# Altium PCB 2012_BALISE_CARTE_PRINCIPALE.PCBDOC
Units mil, origin at the board's own origin, x right, y up, seen from the top; angles counter-clockwise.
Board outline 2992 x 2992 mil, 4 copper layers (1-TOP, 2-GND, 3-SIGNAL, 4-BOT); 161 components, 105 nets, 464 pads, 166 vias.
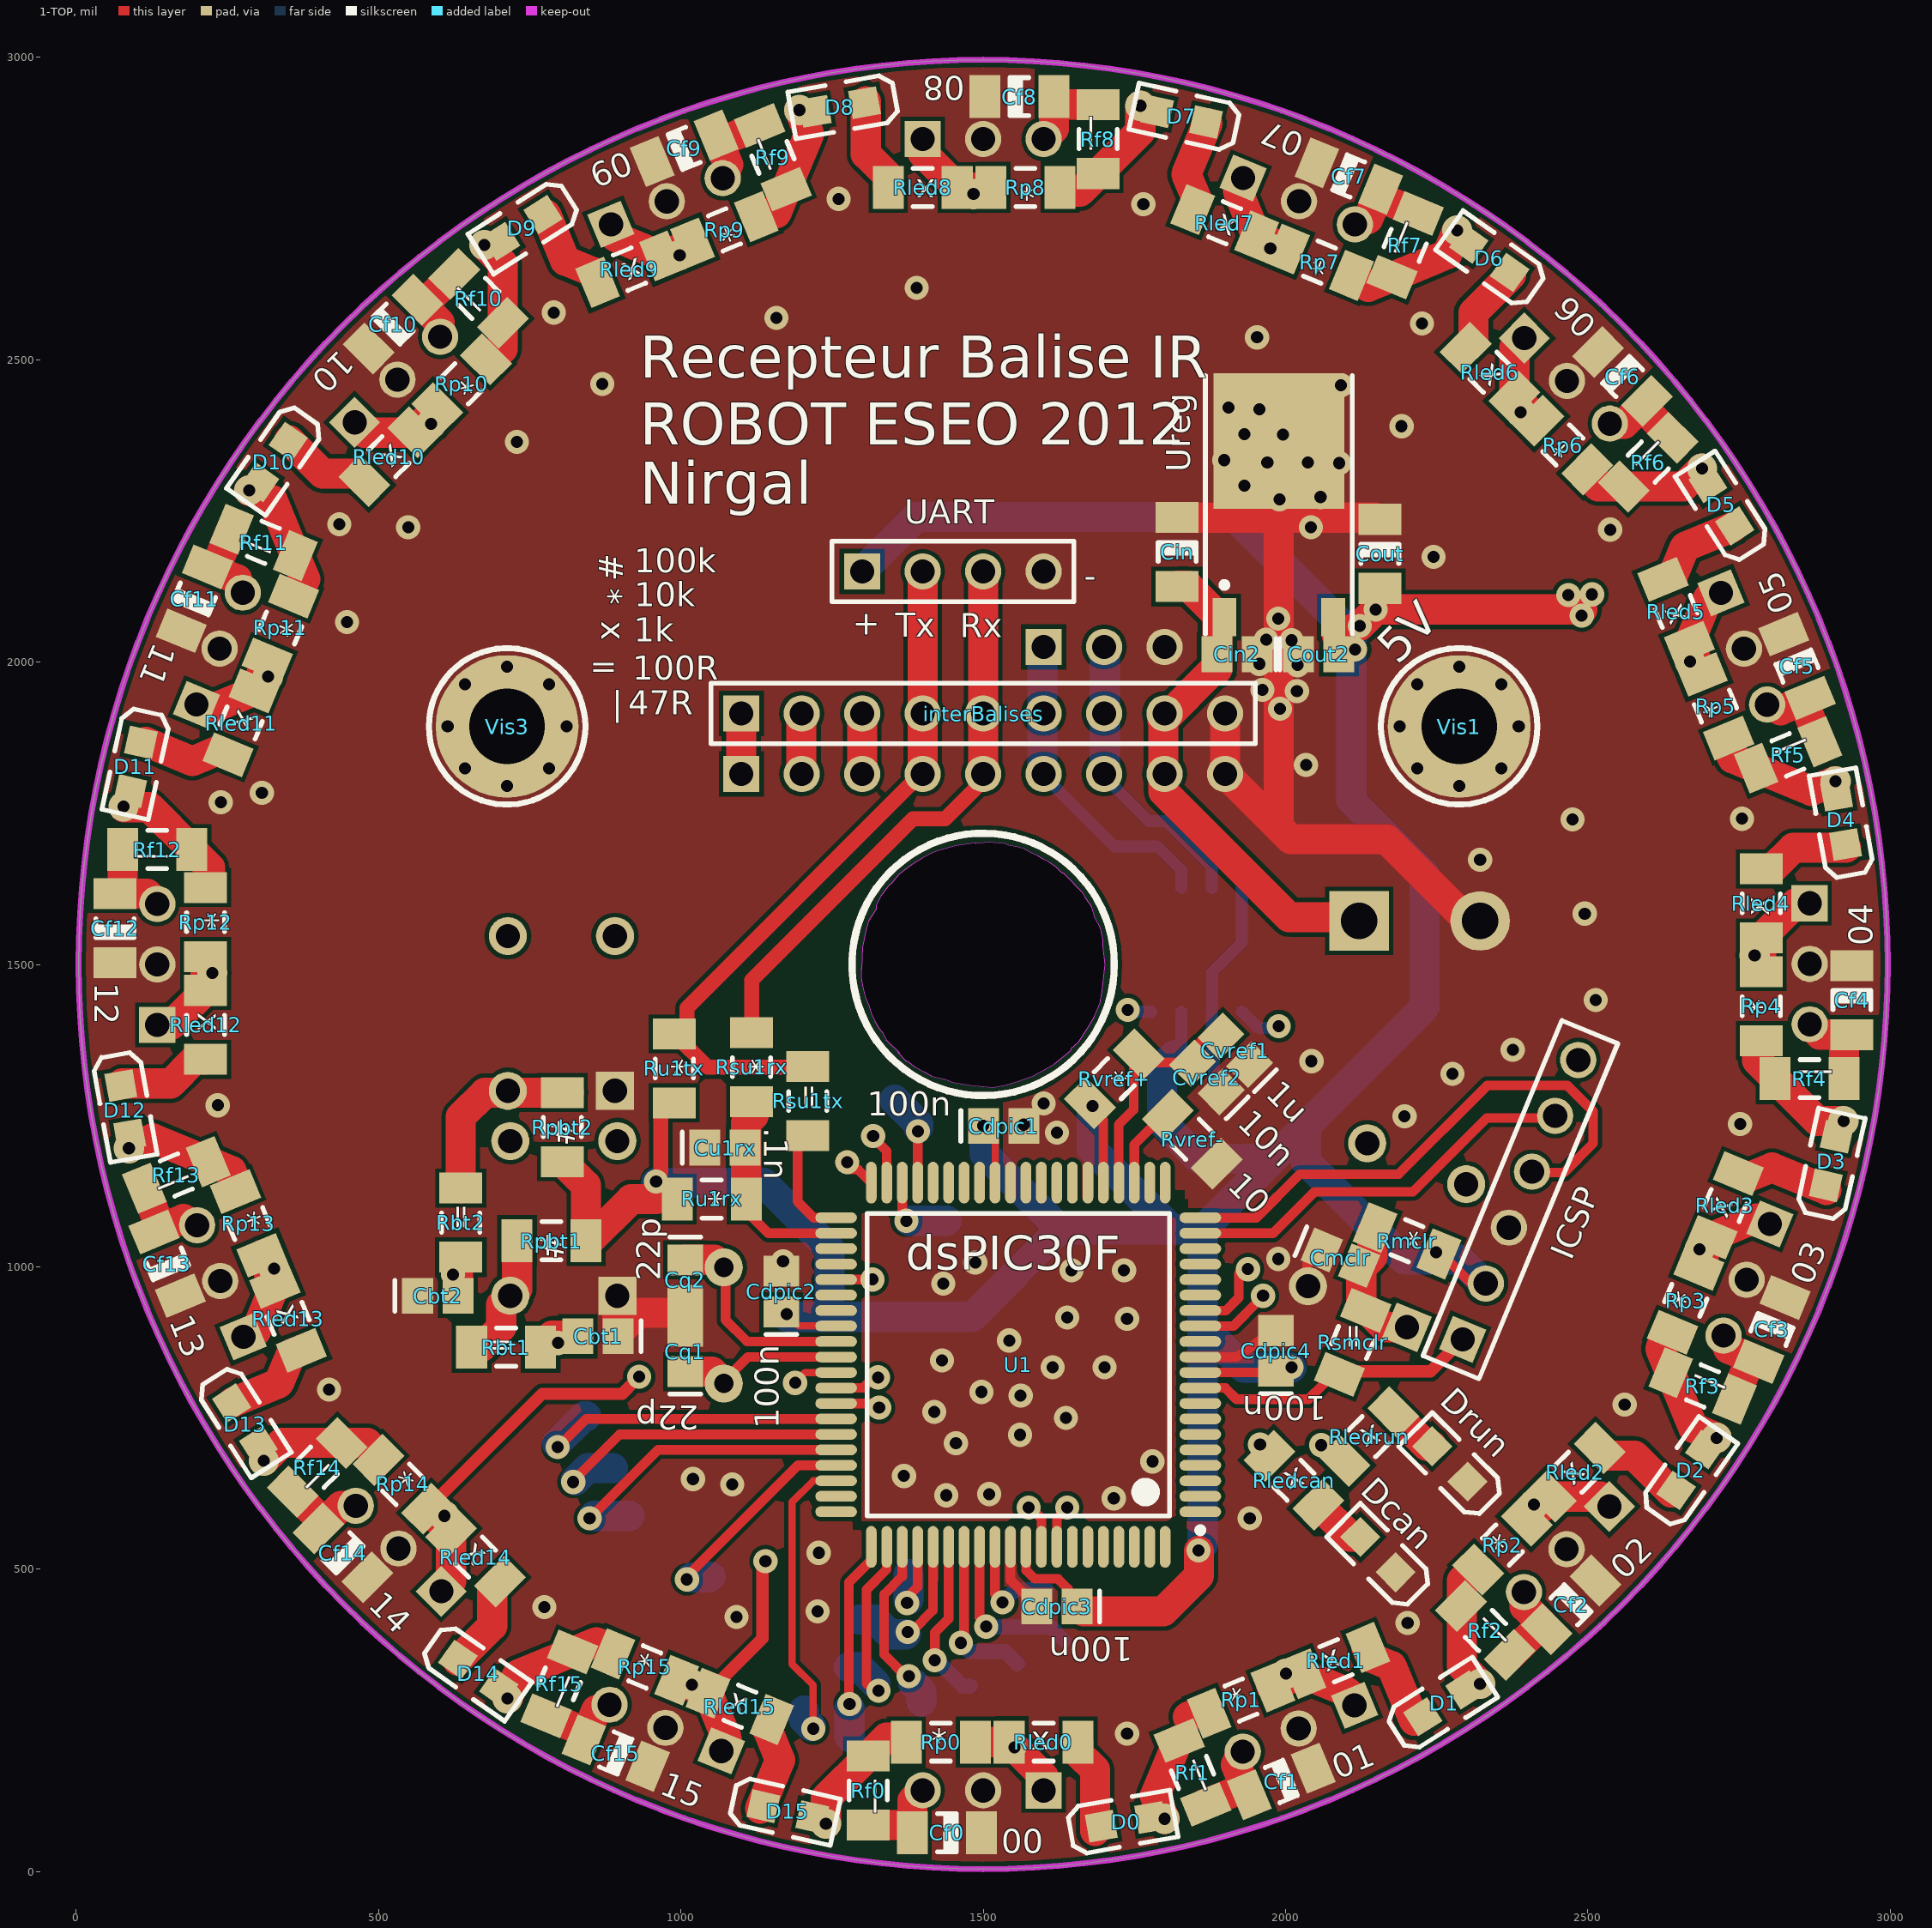
[diagram p0: 1-TOP view]
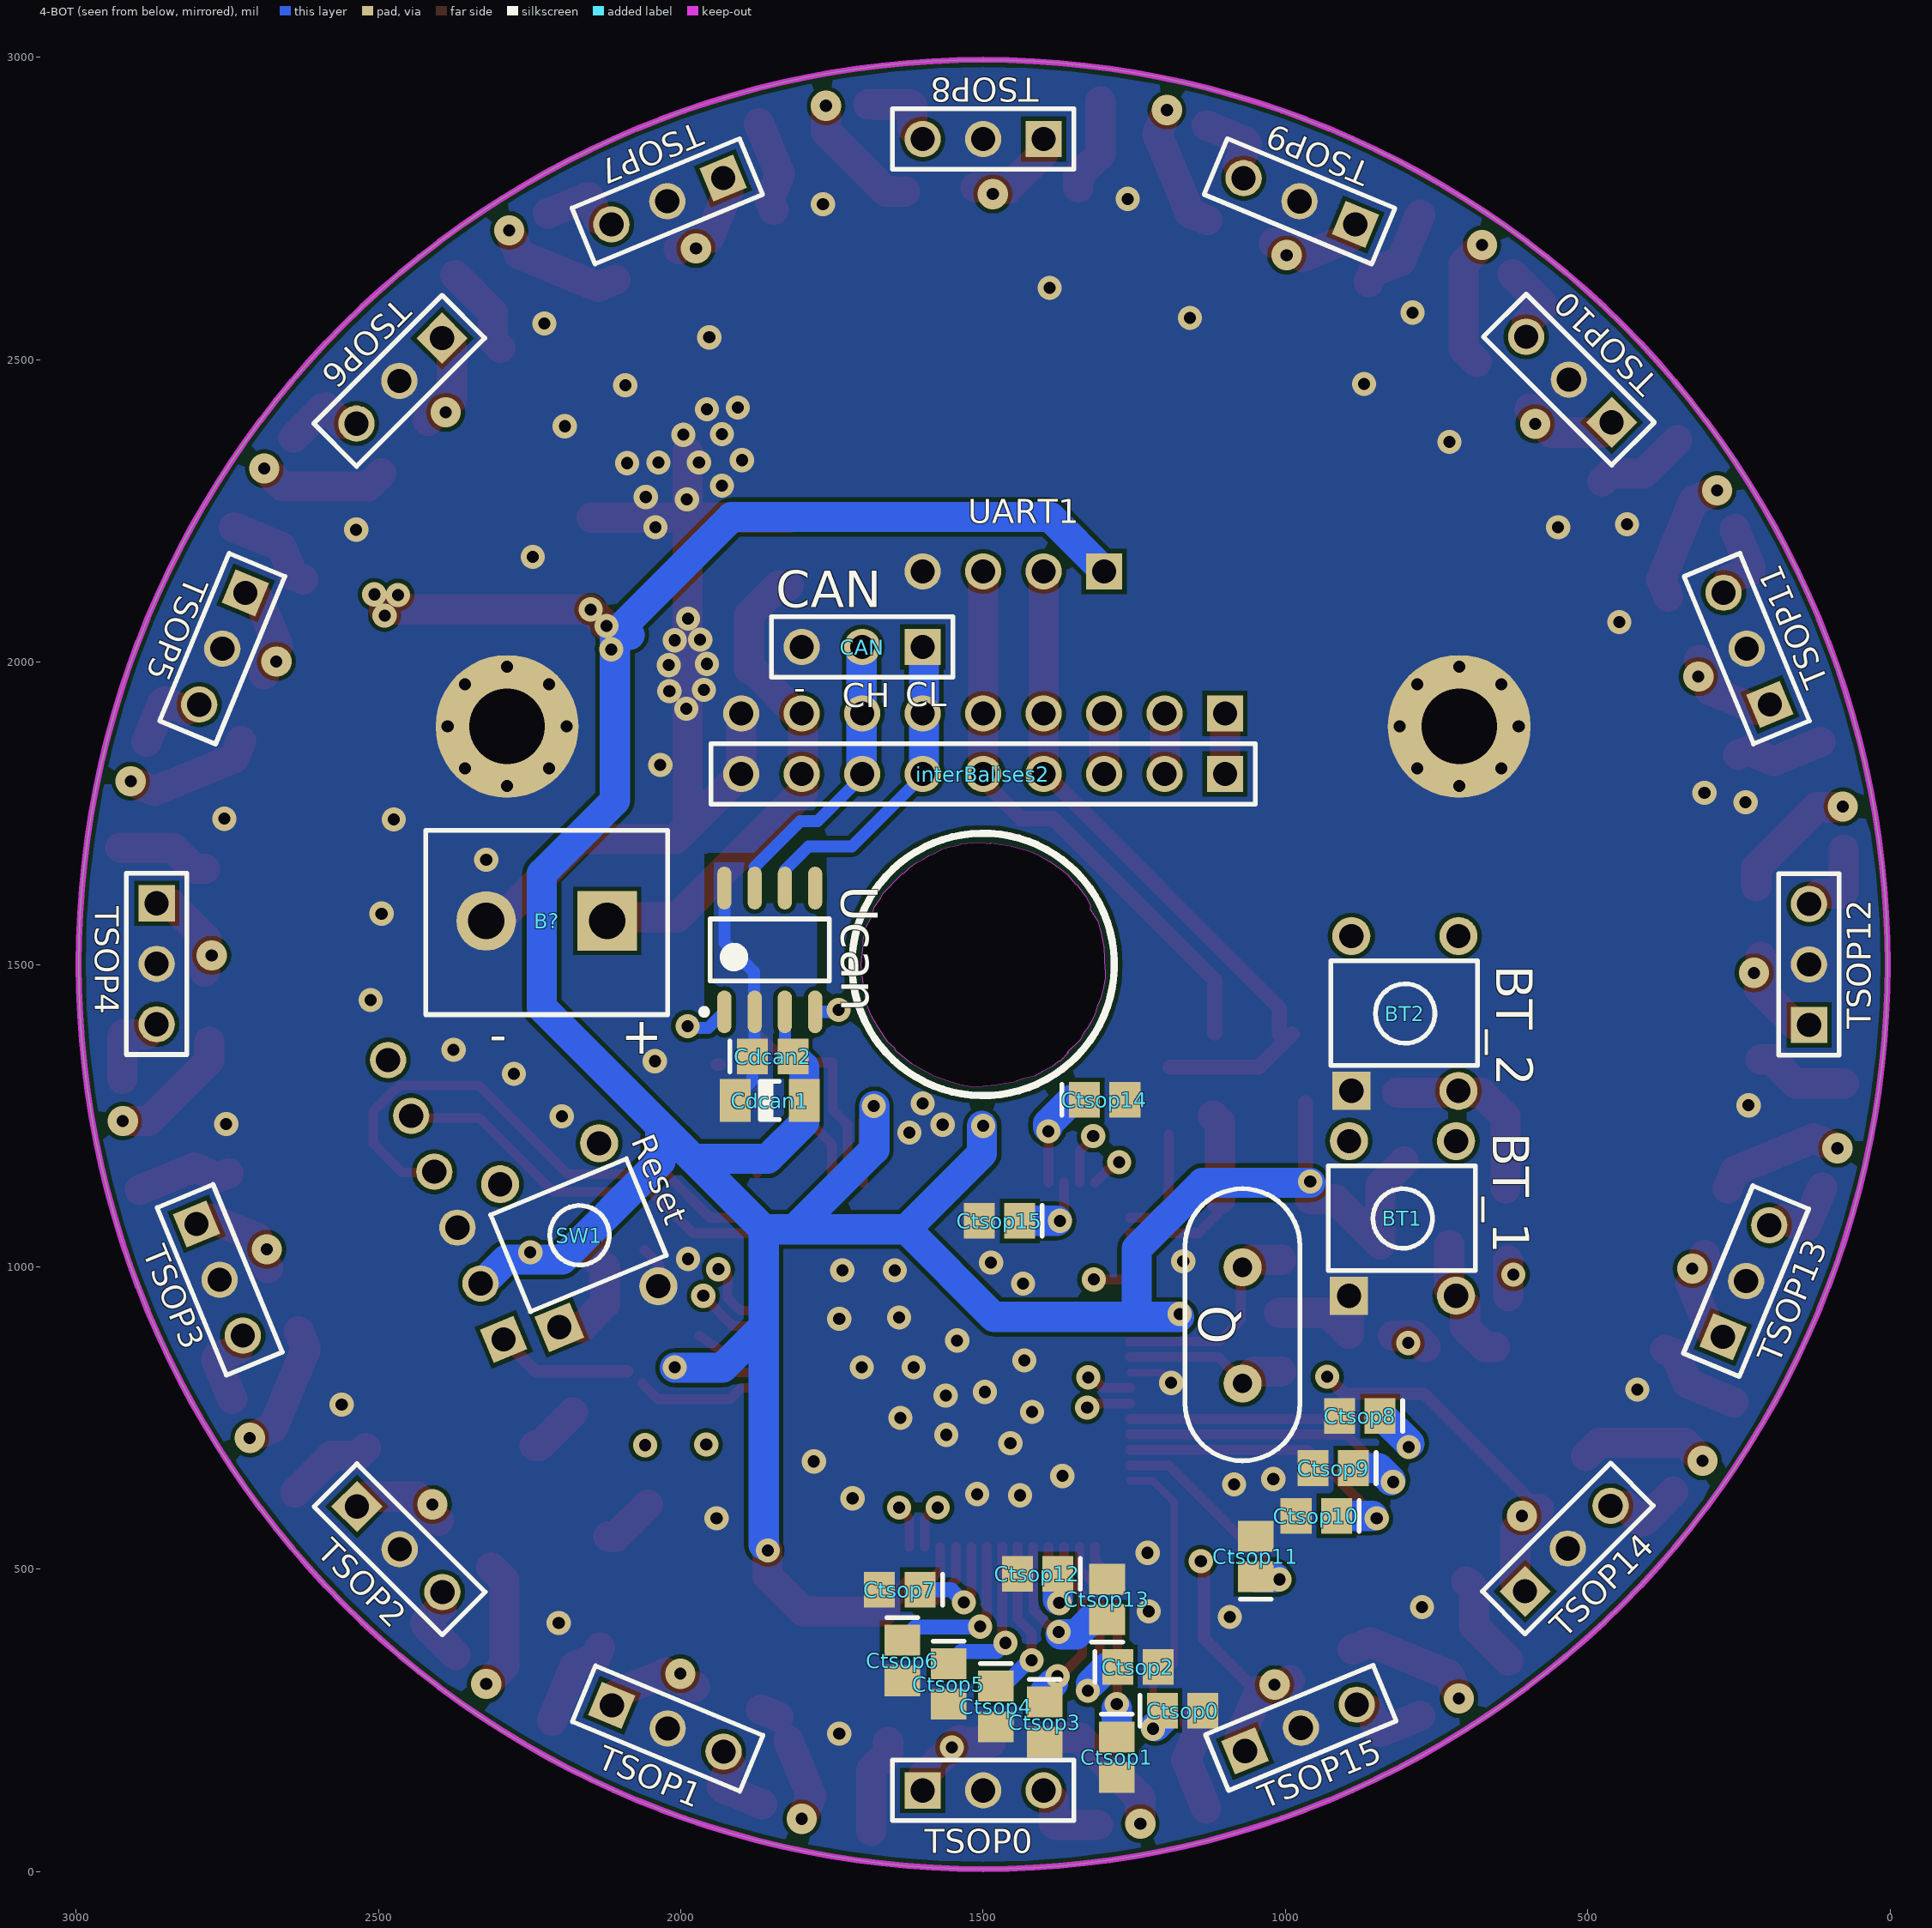
[diagram p1: 4-BOT view, seen from below]
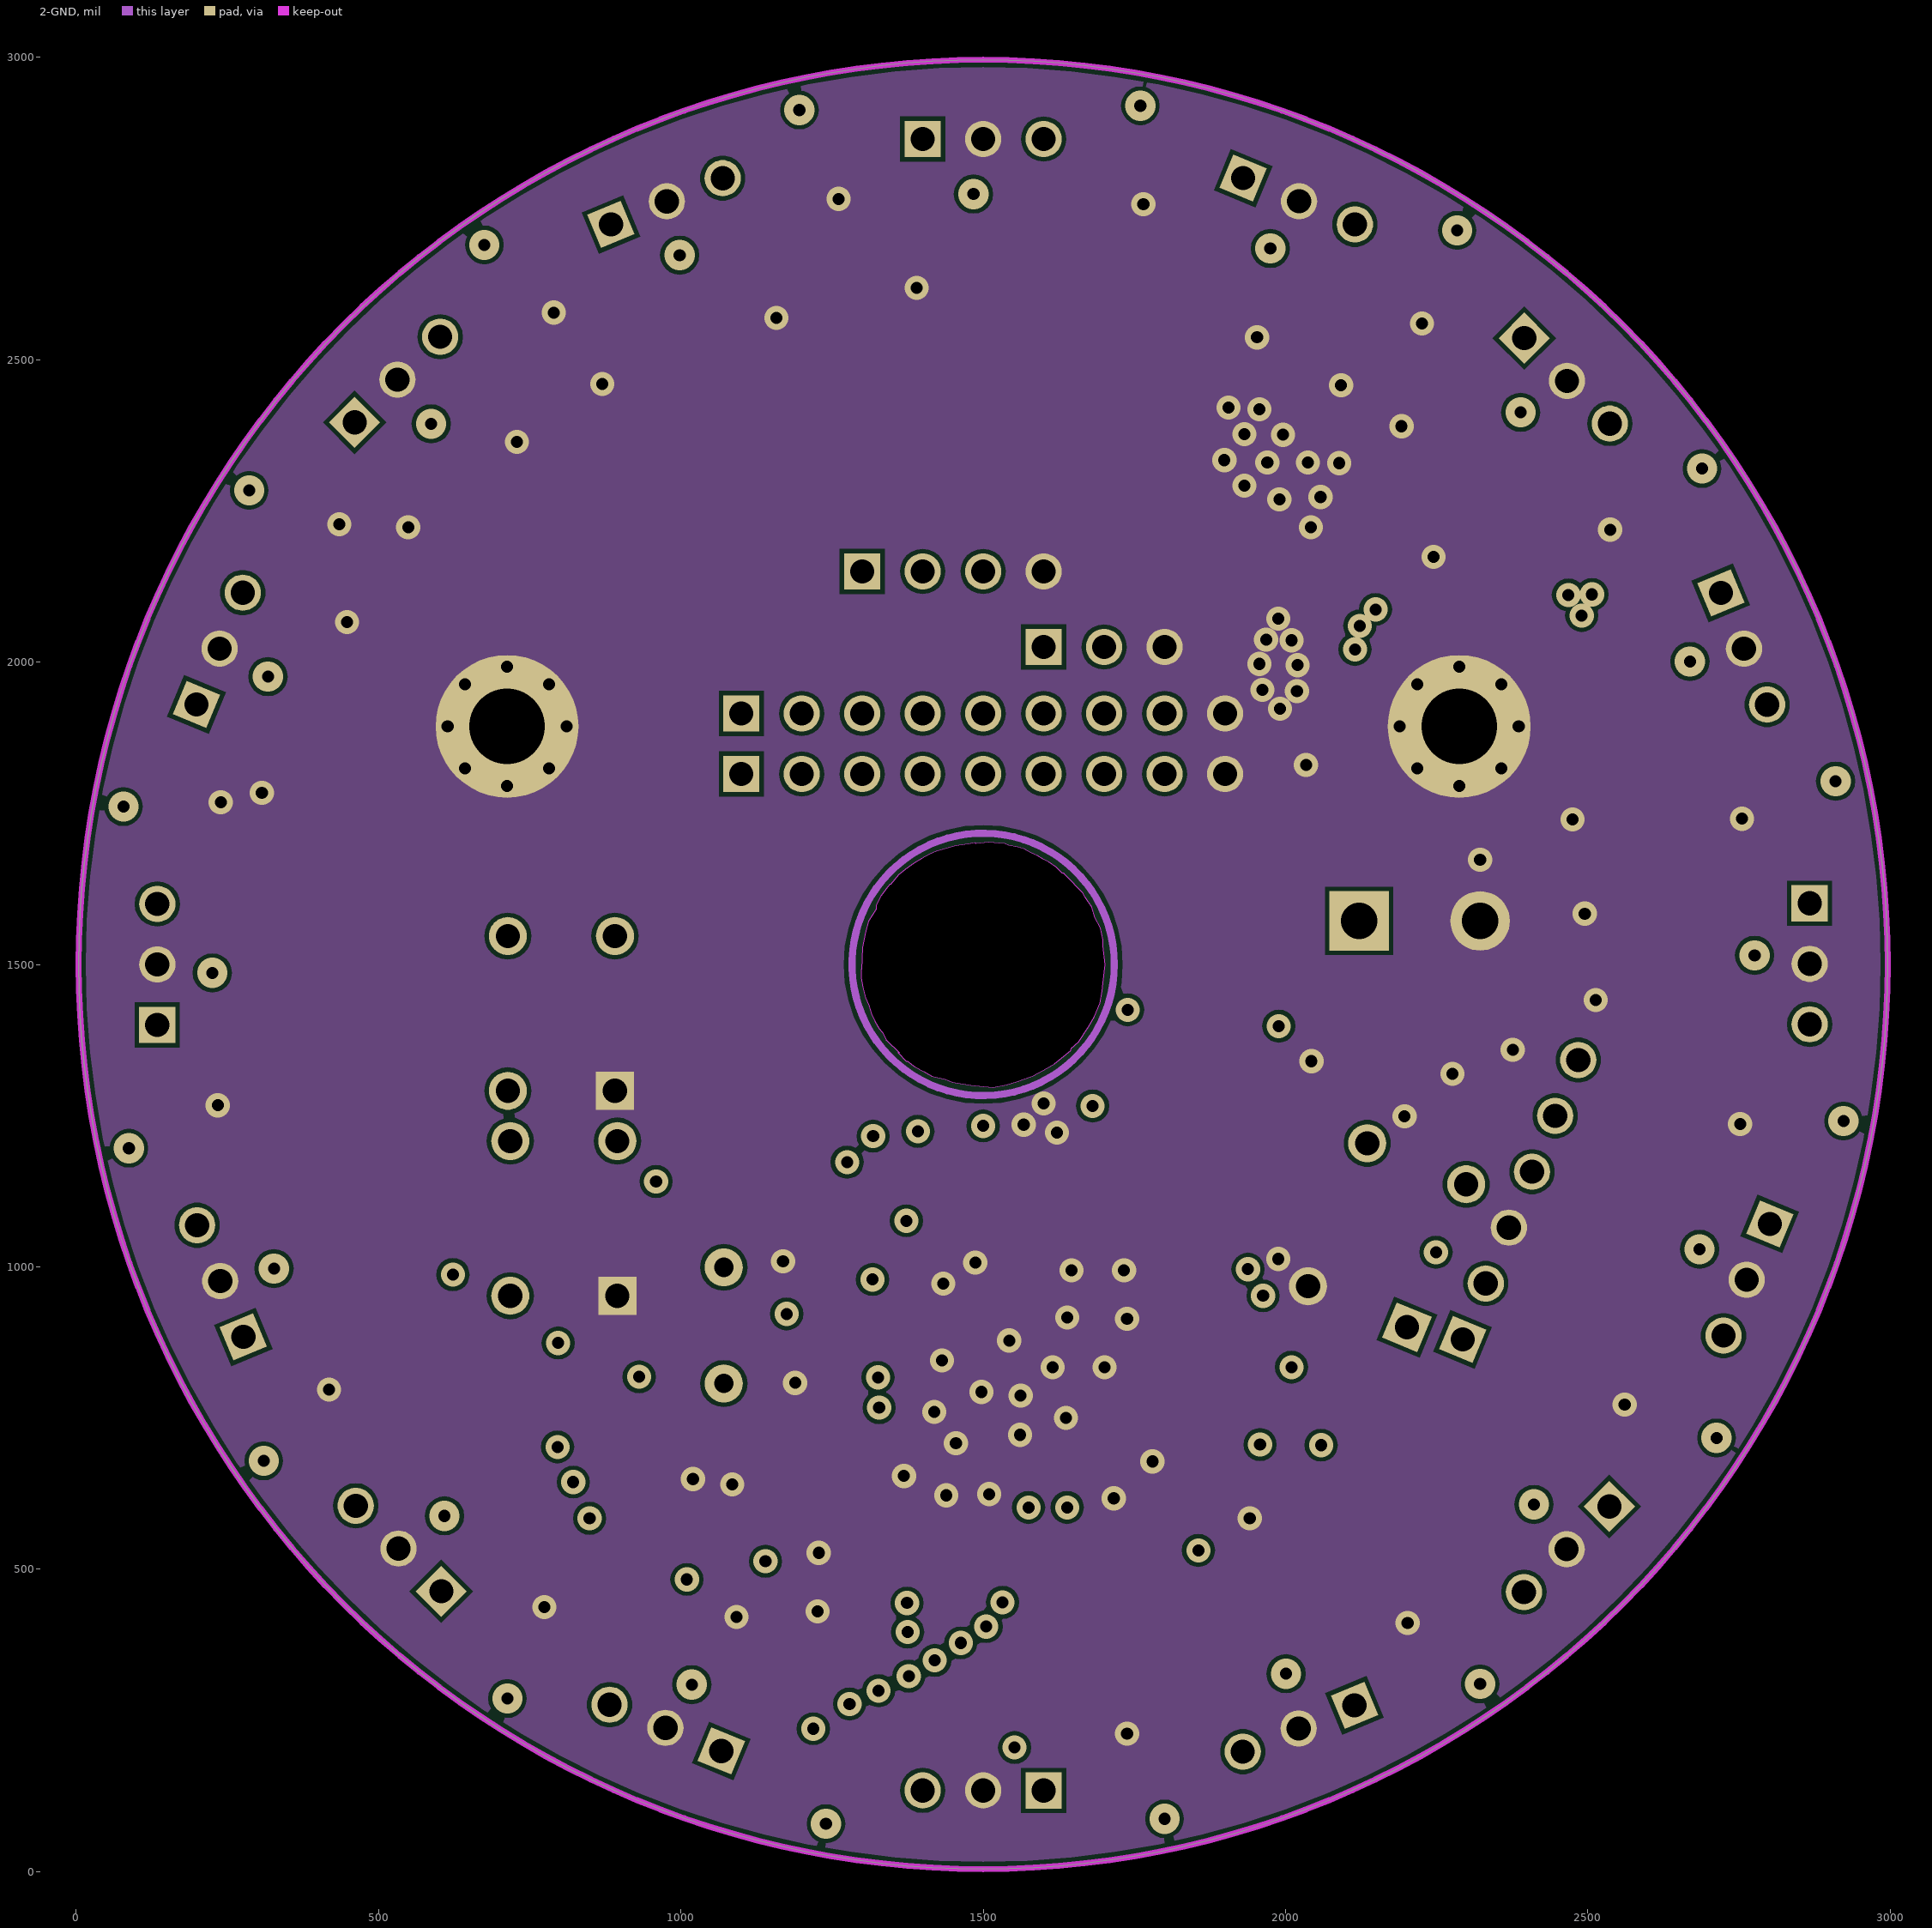
[diagram p2: 2-GND]